# Altium PCB NeuroPico Hub.PcbDoc (part 3 of 5) (continued)
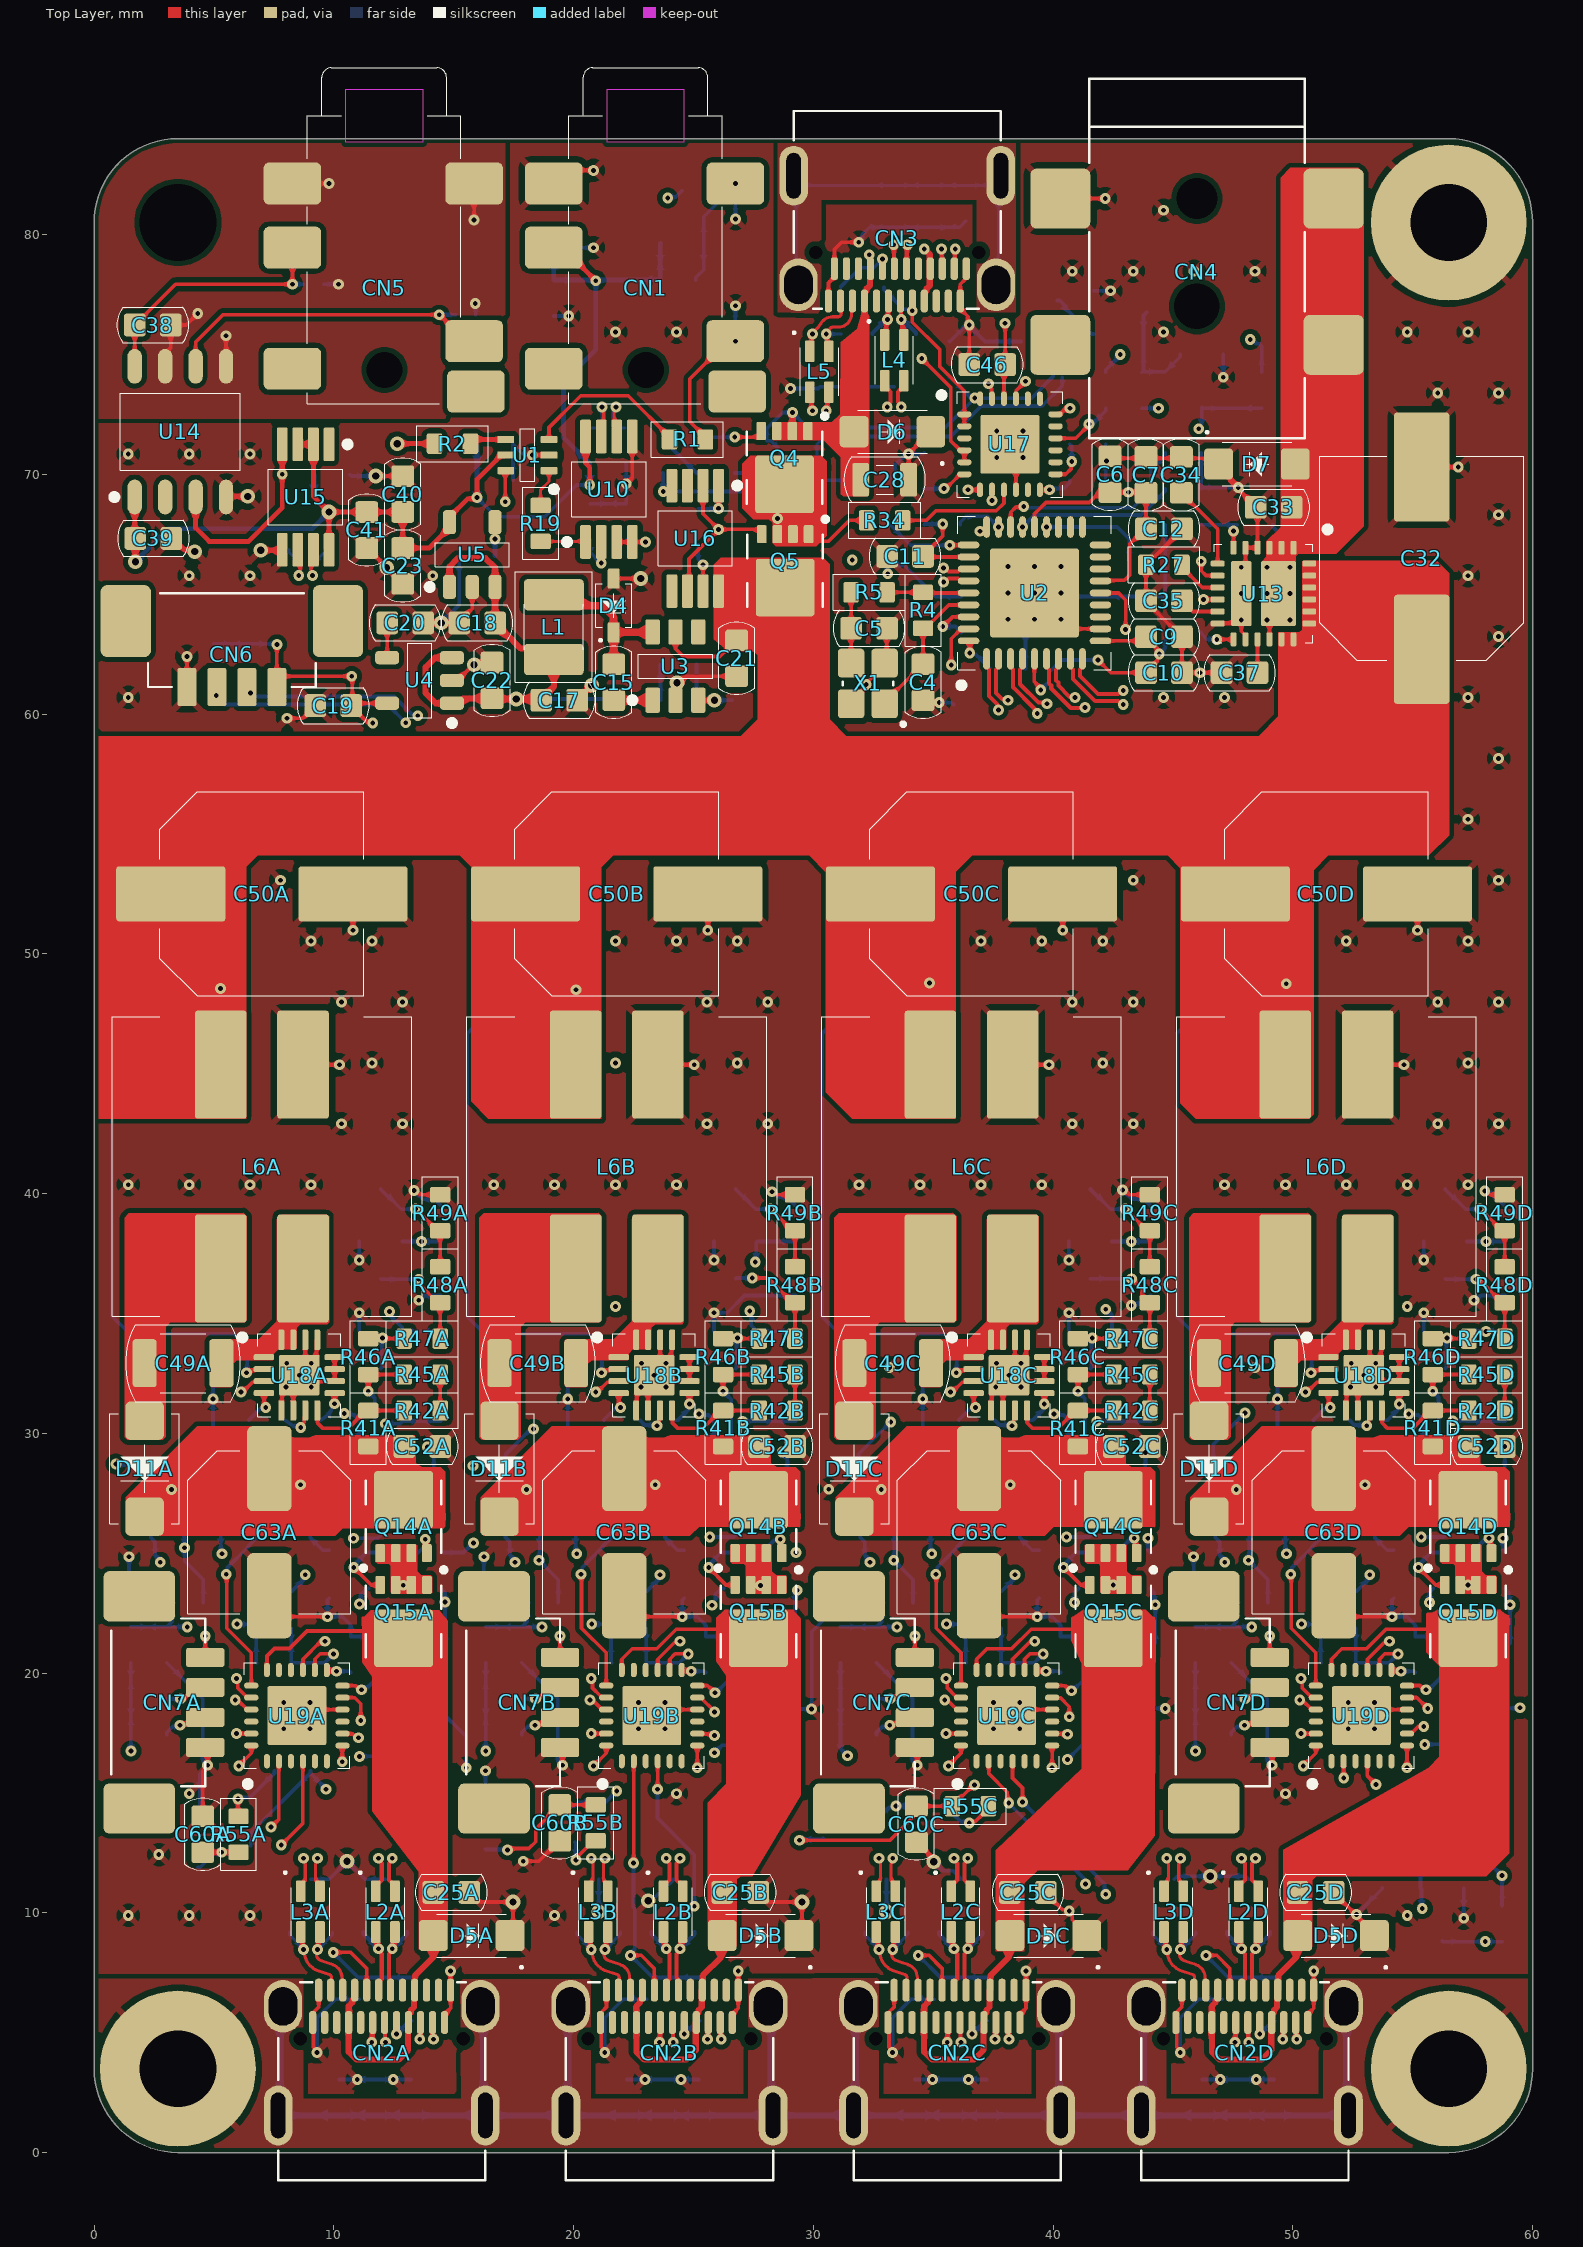
[diagram p0: Top Layer view]
## Nets (pads, with @x,y where several pads share a name; then routed paths per layer and width w, separated by ;. In a path a pad name is that pad's centre, name@x,y a point inside that pad or via, vN(x,y) a via of type N, cw(c..) or ccw(c..) an arc to the next point about the centre after c; other vN are vias at no path point) (continued)
  other v1: 1.43,9.89 3.97,9.89 6.51,9.89 19.21,9.89 54.77,9.89 40.675,10.075 2.7,12.43 3.97,14.97 24.29,14.97 49.69,14.97 30.64,27.67 9.06,31.925 23.86,31.925 38.66,31.925 53.46,31.925 33.18,32.75 48.42,32.75 8.035,32.925 22.835,32.925 37.635,32.925 52.435,32.925 21.75,35.29 54.77,35.29 1.43,40.37 3.97,40.37 6.51,40.37 9.05,40.37 16.67,40.37 19.21,40.37 21.75,40.37 24.29,40.37 31.91,40.37 34.45,40.37 36.99,40.37 39.53,40.37 47.15,40.37 49.69,40.37 52.23,40.37 54.77,40.37 57.31,40.37 10.32,42.91 12.86,42.91 25.56,42.91 28.1,42.91 40.8,42.91 43.34,42.91 56.04,42.91 58.58,42.91 11.59,45.45 21.75,45.45 26.83,45.45 42.07,45.45 57.31,45.45 10.32,47.99 12.86,47.99 25.56,47.99 28.1,47.99 40.8,47.99 43.34,47.99 56.04,47.99 58.58,47.99 9.05,50.53 11.59,50.53 21.75,50.53 24.29,50.53 26.83,50.53 36.99,50.53 39.53,50.53 42.07,50.53 52.23,50.53 57.31,50.53 7.78,53.07 43.34,53.07 58.58,53.07 57.31,55.61 58.58,58.15 1.43,60.69 44.61,60.69 47.15,60.69 57.31,60.69 58.58,63.23 3.97,65.77 6.51,65.77 14.13,65.77 57.31,65.77 58.58,68.31 42.225,70.55 1.43,70.85 3.97,70.85 6.51,70.85 56.04,73.39 58.58,73.39 21.75,75.93 24.29,75.93 44.61,75.93 54.77,75.93 57.31,75.93 40.8,78.47 43.34,78.47 45.88,78.47 48.42,78.47 44.61,81.01
  other v2: 7.91,17.675 9.01,17.675 22.71,17.675 23.81,17.675 37.51,17.675 38.61,17.675 52.31,17.675 53.41,17.675 7.91,18.775 9.01,18.775 22.71,18.775 23.81,18.775 37.51,18.775 38.61,18.775 52.31,18.775 53.41,18.775 38.125,63.95 39.225,63.95 47.85,65.025 38.125,65.05 40.325,65.05 38.125,66.15 39.225,66.15 40.325,66.15 37.65,70.7 38.75,70.7 37.65,71.8 38.75,71.8
  other v3: 46.55,11.525 12.2,66.1
NetC4_2: C4.2 R4.1 U2.33 X1.1 | length 6.1
  Top Layer w0.152: X1.1@32.975,60.425 32.975,60.488 34.563,62.075 C4.2@34.575,62.075 R4.1@34.575,63.575 34.675,63.575 35.65,64.55 U2.33@36.475,64.55
NetC5_2: C5.2 R5.1 X1.3 | length 2.9
  Top Layer w0.152: X1.3@31.575,62.125 C5.2@31.575,63.575 R5.1@31.575,65.075
NetC13_1: C13.1 U2.34 | length 2.1
  Top Layer w0.152: v1(35.4,63.65) 35.8,64.05 U2.34@36.475,64.05
  Bottom Layer w0.152: v1(35.4,63.65) 35.925,63.65 C13.1@36.175,63.4
NetC14_1: C14.1 U2.14 | length 2.4
  Top Layer w0.152: U2.14@41.975,65.05 42.725,65.05 43.025,64.75 v1(43.025,63.525)
NetC15_1: C15.1 D4.1 L1.1 U3.6 | length 6.5
  Top Layer w0.305: L1.1@19.175,64.975 19.633,64.517 21.208,64.517 21.662,64.063 21.662,63.413 D4.1@21.675,63.4 ; C15.1@21.675,62.075 D4.1@21.675,63.4 ; U3.6@23.3,63.425 23.287,63.412 21.687,63.412 D4.1@21.675,63.4
NetC15_2: C15.2 U3.1 | length 1.6
  Top Layer w0.305: C15.2@21.675,60.575 U3.1@23.3,60.575
NetC16_1: C16.1 R12.1 R13.2 U3.3 | length 3.7
  Top Layer w0.152: U3.3@25.2,60.575 v3(25.875,60.575)
  Bottom Layer w0.152: C16.1@25.125,62.075 R12.1@25.125,60.575 v3(25.875,60.575) R13.2@26.625,60.575
NetC20_2: C20.2 U4.4 | length 1.5
  Top Layer w0.152: U4.4@12.225,62.35 C20.2@12.225,63.8
NetC24_2: C24.2 U5.4 | length 0.7
  Bottom Layer w0.203: C24.2@16.725,66.6 v1(16.725,67.3)
NetC30_2: C30.2 C31.2 CN3.0 R22.2 | length 17.5
  Bottom Layer w0.125: CN3.0@29.18,82.45 CN3.0@29.28,82.35 ; CN3.0@29.38,77.9 29.28,78 CN3.0@29.28,82.35 ; CN3.0@37.42,82.05 R22.2@36.35,82.05 34.85,82.05 33.35,82.05 29.58,82.05 CN3.0@29.28,82.35 ; CN3.0@37.62,77.9 37.72,78 37.72,82.35 CN3.0@37.82,82.45
NetC34_1: C34.1 U13.7 | length 3.6
  Top Layer w0.152: C34.1@45.35,69.225 45.355,69.225 45.726,68.854 45.726,68.849 46.863,67.712 U13.7@46.863,66.275
NetC35_1: C35.1 U13.11 | length 1.7
  Top Layer w0.152: C35.1@45.375,64.725 45.375,64.72 45.82,64.275 U13.11@46.863,64.275
NetC36_1: C36.1 U13.10 | length 0.6
  Top Layer w0.152: v1(46.275,64.775) U13.10@46.863,64.775
NetC37_2: C37.2 U13.15 | length 1.4
  Top Layer w0.152: C37.2@48.525,61.725 U13.15@48.525,63.112
NetC38_2: C38.2 CN5.3 D9.2 U14.8 | length 11.3
  Top Layer w0.152: U14.8@1.695,74.5 1.695,76.22 C38.2@1.7,76.225 1.7,76.23 2.071,76.601 2.076,76.601 3.4,77.925 v1(8.275,77.925) CN5.3@8.275,79.45 CN5.3@7.95,79.45
  Bottom Layer w0.152: v1(8.275,77.925) D9.2@8.725,77.925
NetC42_1: C42.1 R32.2 | length 2.2
  Bottom Layer w0.152: C42.1@23.725,71.55 23.73,71.55 24.101,71.179 24.101,71.074 25.125,70.05 R32.2@25.225,70.05
NetC42_2: C42.2 Q4.5 Q5.1 Q5.2 Q5.3 R34.2 U16.4 | length 9.5
  Top Layer w0.152: v1@23.725,69.275 23.951,69.275 24.1,69.424 U16.4@24.1,69.525 ; Q5.1@29.8,67.5 29.8,67.37 29.924,67.246 30.229,67.246 30.275,67.2 30.625,67.2 31.5,68.075 R34.2@32.225,68.075
  Bottom Layer w0.152: C42.2@23.725,70.05 23.737,70.038 v1(23.737,69.282) 27.368,69.282 v1(28.5,68.15)
NetC44_2: C44.2 D10.1 R30.1 R35.2 | length 14.6
  Bottom Layer w0.13: D10.1@30.3,71.4 30.153,71.253 30.153,69.778 R30.1@30.125,69.75 C44.2@31.625,69.75
  Bottom Layer w0.152: D10.1@30.3,71.4 30.474,71.574 30.737,71.574 30.738,71.575 35.734,71.575 37.009,72.85 39.487,72.85 ccw(c39.487,73.002) 39.595,72.895 40.331,73.631 ccw(c40.223,73.738) 40.375,73.738 R35.2@40.375,74.05
NetC45_1: C45.1 U16.7 | length 2
  Top Layer w0.13: U16.7@25.4,65.125 v1(25.4,66.225)
  Bottom Layer w0.13: C45.1@25.2,67.075 25.2,66.449 25.4,66.249 v1(25.4,66.225)
NetC45_2: C45.2 U16.1 | length 1.8
  Top Layer w0.13: v1(26.05,68.575) U16.1@26.05,69.525
  Bottom Layer w0.13: C45.2@25.2,68.575 26.025,68.575 v1@26.05,68.55
NetC47_2: C47.2 U17.21 | length 0.9
  Top Layer w0.152: U17.21@38.45,73.15 38.469,73.169 38.469,73.494 v1(38.85,73.875)
NetC48_2: C48.2 U17.23 | length 0.7
  Top Layer w0.152: v1(37.3,73.775) 37.3,73.694 37.431,73.563 37.431,73.169 U17.23@37.45,73.15
NetC49A_1: C49A.1 D11A.2 L6A.4
NetC49A_2: C49A.2 L6A.3 U18A.1 U18A.15 U18A.16
NetC49B_1: C49B.1 D11B.2 L6B.4
NetC49B_2: C49B.2 L6B.3 U18B.1 U18B.15 U18B.16
NetC49C_1: C49C.1 D11C.2 L6C.4
NetC49C_2: C49C.2 L6C.3 U18C.1 U18C.15 U18C.16
NetC49D_1: C49D.1 D11D.2 L6D.4
NetC49D_2: C49D.2 L6D.3 U18D.1 U18D.15 U18D.16
NetC52A_2: C52A.2 C63A.1 C64A.1 D11A.1 Q14A.5 Q16A.2 R41A.2 R58A.2 U19A.24 | length 19
  Top Layer w0.152: v1(6.035,16.125) 6.56,16.65 U19A.24@6.56,16.975
  Layer 4 w0.152: v1(3.235,27.65) 2.31,26.725 2.31,17.225 3.81,15.725 5.635,15.725 v1(6.035,16.125)
  Bottom Layer w0.152: v1(3.235,27.65) 3.66,27.65 R58A.2@3.785,27.525 ; Q16A.2@6.81,27.45 8.21,27.45 v1(8.61,27.85)
NetC52B_2: C52B.2 C63B.1 C64B.1 D11B.1 Q14B.5 Q16B.2 R41B.2 R58B.2 U19B.24 | length 19.6
  Top Layer w0.152: v1(20.835,16.125) 21.36,16.65 U19B.24@21.36,16.975
  Layer 4 w0.152: v1(18.035,27.65) 17.11,26.725 17.11,17.225 18.61,15.725 20.435,15.725 v1(20.835,16.125)
  Bottom Layer w0.152: Q16B.2@21.61,27.45 23.01,27.45 v1(23.41,27.85) ; R58B.2@18.46,27.65 v1(18.035,27.65) R58B.2@18.46,27.65 ; R58B.2@18.46,27.65 R58B.2@18.585,27.525 R58B.2@18.46,27.65
NetC52C_2: C52C.2 C63C.1 C64C.1 D11C.1 Q14C.5 Q16C.2 R41C.2 R58C.2 U19C.24 | length 19.6
  Top Layer w0.152: v1(35.635,16.125) 36.16,16.65 U19C.24@36.16,16.975
  Layer 4 w0.152: v1(32.835,27.65) 31.91,26.725 31.91,17.225 33.41,15.725 35.235,15.725 v1(35.635,16.125)
  Bottom Layer w0.152: Q16C.2@36.41,27.45 37.81,27.45 v1(38.21,27.85) ; R58C.2@33.26,27.65 v1(32.835,27.65) R58C.2@33.26,27.65 ; R58C.2@33.26,27.65 R58C.2@33.385,27.525 R58C.2@33.26,27.65
NetC52D_2: C52D.2 C63D.1 C64D.1 D11D.1 Q14D.5 Q16D.2 R41D.2 R58D.2 U19D.24 | length 19.6
  Top Layer w0.152: v1(50.435,16.125) 50.96,16.65 U19D.24@50.96,16.975
  Layer 4 w0.152: v1(47.635,27.65) 46.71,26.725 46.71,17.225 48.21,15.725 50.035,15.725 v1(50.435,16.125)
  Bottom Layer w0.152: Q16D.2@51.21,27.45 52.61,27.45 v1(53.01,27.85) ; R58D.2@48.06,27.65 R58D.2@48.185,27.525 R58D.2@48.06,27.65 ; R58D.2@48.06,27.65 v1(47.635,27.65) R58D.2@48.06,27.65
NetC53A_2: C53A.2 U18A.4 | length 1.6
  Top Layer w0.152: U18A.4@7.085,31.675 7.085,31.15 v1(7.16,31.075)
  Bottom Layer w0.152: C53A.2@6.46,30.55 6.46,30.555 6.923,31.018 7.103,31.018 v1(7.16,31.075)
NetC53B_2: C53B.2 U18B.4 | length 1.6
  Top Layer w0.152: U18B.4@21.885,31.675 21.885,31.15 v1(21.96,31.075)
  Bottom Layer w0.152: C53B.2@21.26,30.55 21.26,30.555 21.723,31.018 21.903,31.018 v1(21.96,31.075)
NetC53C_2: C53C.2 U18C.4 | length 1.6
  Top Layer w0.152: U18C.4@36.685,31.675 36.685,31.15 v1(36.76,31.075)
  Bottom Layer w0.152: C53C.2@36.06,30.55 36.06,30.555 36.523,31.018 36.703,31.018 v1(36.76,31.075)
NetC53D_2: C53D.2 U18D.4 | length 1.6
  Top Layer w0.152: U18D.4@51.485,31.675 51.485,31.15 v1(51.56,31.075)
  Bottom Layer w0.152: C53D.2@50.86,30.55 50.86,30.555 51.323,31.018 51.503,31.018 v1(51.56,31.075)
NetC54A_1: C54A.1 R44A.2 | length 1.5
  Bottom Layer w0.152: C54A.1@6.46,29.05 R44A.2@7.96,29.05
NetC54B_1: C54B.1 R44B.2 | length 1.5
  Bottom Layer w0.152: C54B.1@21.26,29.05 R44B.2@22.76,29.05
NetC54C_1: C54C.1 R44C.2 | length 1.5
  Bottom Layer w0.152: C54C.1@36.06,29.05 R44C.2@37.56,29.05
NetC54D_1: C54D.1 R44D.2 | length 1.5
  Bottom Layer w0.152: C54D.1@50.86,29.05 R44D.2@52.36,29.05
NetC55A_2: C55A.2 Q6A.1 Q7A.3 R50A.1 | length 15.4
  Layer 4 w0.152: v1(2.76,24.625) 4.216,24.625 ccw(c4.216,24.777) 4.324,24.67 5.282,25.627 cw(c5.389,25.519) 5.389,25.672 10.771,25.672 v1(10.825,25.618)
  Bottom Layer w0.152: R50A.1@2.285,27.175 2.36,27.1 Q7A.3@2.36,25.65 2.544,25.466 2.544,24.921 2.76,24.706 v1(2.76,24.625) ; v1(10.825,25.618) 11.828,25.618 12.86,26.65 Q6A.1@12.86,26.75 C55A.2@14.46,26.75
NetC55B_2: C55B.2 Q6B.1 Q7B.3 R50B.1 | length 15.9
  Layer 4 w0.152: v1(17.56,24.625) 18.022,24.163 18.618,24.163 20.254,25.8 25.549,25.8 v1(25.677,25.672)
  Bottom Layer w0.152: R50B.1@17.085,27.175 17.16,27.1 Q7B.3@17.16,25.65 17.344,25.466 17.344,24.921 17.56,24.706 v1(17.56,24.625) ; v1(25.677,25.672) 26.682,25.672 27.66,26.65 Q6B.1@27.66,26.75 C55B.2@29.26,26.75
NetC55C_2: C55C.2 Q6C.1 Q7C.3 R50C.1 | length 15.8
  Layer 4 w0.152: v1(32.36,24.625) 32.822,24.163 33.418,24.163 34.926,25.672 v1(40.557,25.672)
  Bottom Layer w0.152: R50C.1@31.885,27.175 31.96,27.1 Q7C.3@31.96,25.65 32.144,25.466 32.144,24.921 32.36,24.706 v1(32.36,24.625) ; v1(40.557,25.672) 41.482,25.672 42.46,26.65 Q6C.1@42.46,26.75 C55C.2@44.06,26.75
NetC55D_2: C55D.2 Q6D.1 Q7D.3 R50D.1 | length 15.9
  Layer 4 w0.152: v1(47.16,24.625) 47.622,24.163 48.218,24.163 49.854,25.8 55.149,25.8 55.277,25.672 v1(55.357,25.672)
  Bottom Layer w0.152: R50D.1@46.685,27.175 46.76,27.1 Q7D.3@46.76,25.65 46.944,25.466 46.944,24.921 47.16,24.706 v1(47.16,24.625) ; v1(55.357,25.672) 56.282,25.672 57.26,26.65 Q6D.1@57.26,26.75 C55D.2@58.86,26.75
NetC56A_2: C56A.2 Q7A.1 R51A.1 U19A.15 | length 11.7
  Top Layer w0.152: U19A.15@8.71,20.125 8.71,20.575 9.46,21.325 v1(9.635,21.325)
  Layer 4 w0.152: v1(3.885,21.925) 3.938,21.978 5.057,21.978 5.71,21.325 v1(9.635,21.325)
  Bottom Layer w0.152: R51A.1@1.535,21.925 C56A.2@3.035,21.925 ; Q7A.1@3.26,23.45 3.26,22.15 C56A.2@3.035,21.925 ; v1(3.885,21.925) C56A.2@3.035,21.925
NetC56B_2: C56B.2 Q7B.1 R51B.1 U19B.15 | length 15.1
  Top Layer w0.152: v1(24.435,21.325) 24.26,21.325 23.51,20.575 ; 23.51,20.575 U19B.15@23.51,20.125 23.51,20.575
  Layer 4 w0.152: v1(24.435,21.325) 20.51,21.325 ; v1@18.738,21.978 19.857,21.978 ; v1@18.738,21.978 v1(18.685,21.925) v1@18.738,21.978 ; v1@18.738,21.978 19.857,21.978 ; 19.857,21.978 20.51,21.325 ; 19.857,21.978 20.51,21.325
  Bottom Layer w0.152: R51B.1@16.335,21.925 C56B.2@17.835,21.925 ; Q7B.1@18.06,23.45 18.06,22.15 C56B.2@17.835,21.925 ; C56B.2@17.835,21.925 v1(18.685,21.925) C56B.2@17.835,21.925
NetC56C_2: C56C.2 Q7C.1 R51C.1 U19C.15 | length 20.3
  Top Layer w0.152: 38.31,20.575 v1@39.06,21.325 ; 38.31,20.575 U19C.15@38.31,20.125 38.31,20.575 ; 38.31,20.575 v1@39.06,21.325 ; v1@39.06,21.325 v1(39.235,21.325) v1@39.06,21.325
  Layer 4 w0.152: v1@33.538,21.978 v1(33.485,21.925) v1@33.538,21.978 ; v1@33.538,21.978 34.657,21.978 ; v1@33.538,21.978 34.657,21.978 ; 34.657,21.978 35.31,21.325 ; 34.657,21.978 35.31,21.325 ; 35.31,21.325 v1(39.235,21.325) 35.31,21.325
  Bottom Layer w0.152: R51C.1@31.135,21.925 C56C.2@32.635,21.925 ; Q7C.1@32.86,23.45 32.86,22.15 C56C.2@32.635,21.925 ; C56C.2@32.635,21.925 v1(33.485,21.925) C56C.2@32.635,21.925
NetC56D_2: C56D.2 Q7D.1 R51D.1 U19D.15 | length 20.3
  Top Layer w0.152: 53.11,20.575 U19D.15@53.11,20.125 53.11,20.575 ; 53.11,20.575 v1@53.86,21.325 ; 53.11,20.575 v1@53.86,21.325 ; v1@53.86,21.325 v1(54.035,21.325) v1@53.86,21.325
  Layer 4 w0.152: v1@48.338,21.978 49.457,21.978 ; v1@48.338,21.978 v1(48.285,21.925) v1@48.338,21.978 ; v1@48.338,21.978 49.457,21.978 ; 49.457,21.978 50.11,21.325 ; 49.457,21.978 50.11,21.325 ; 50.11,21.325 v1(54.035,21.325) 50.11,21.325
  Bottom Layer w0.152: R51D.1@45.935,21.925 C56D.2@47.435,21.925 ; Q7D.1@47.66,23.45 47.66,22.15 C56D.2@47.435,21.925 ; C56D.2@47.435,21.925 v1(48.285,21.925) C56D.2@47.435,21.925
NetC57A_2: C57A.2 Q8A.1 Q9A.3 R52A.1 | length 16.3
  Layer 4 w0.152: v1(3.775,25.225) 3.795,25.245 4.229,25.245 8.853,29.87 8.86,29.876 9.411,30.362 cw(c9.512,30.248) 9.512,30.4 v1(12.147,30.4)
  Bottom Layer w0.152: R52A.1@3.785,26.025 3.75,25.681 3.77,25.681 3.775,25.677 v1(3.775,25.225) 3.783,25.217 3.783,24.674 3.827,24.63 4.56,23.897 Q9A.3@4.56,22.925 ; v1(12.147,30.4) 12.76,30.4 Q8A.1@12.86,30.5 C57A.2@14.46,30.5
NetC57B_2: C57B.2 Q8B.1 Q9B.3 R52B.1 | length 16.5
  Layer 4 w0.152: v1(18.554,24.706) 20.074,26.225 22.775,26.225 v1(27.05,30.5)
  Bottom Layer w0.152: R52B.1@18.585,26.025 18.585,24.672 19.36,23.897 Q9B.3@19.36,22.925 ; v1(27.05,30.5) Q8B.1@27.66,30.5 C57B.2@29.26,30.5
NetC57C_2: C57C.2 Q8C.1 Q9C.3 R52C.1 | length 16.6
  Layer 4 w0.152: v1(33.354,24.706) 33.416,24.706 34.81,26.1 37.425,26.1 v1(41.825,30.5)
  Bottom Layer w0.152: v1(33.354,24.706) v1@33.385,24.706 ; R52C.1@33.385,26.025 33.385,24.672 34.16,23.897 Q9C.3@34.16,22.925 ; v1(41.825,30.5) Q8C.1@42.46,30.5 C57C.2@44.06,30.5
NetC57D_2: C57D.2 Q8D.1 Q9D.3 R52D.1 | length 16.6
  Layer 4 w0.152: v1(48.154,24.706) 48.216,24.706 49.61,26.1 52.245,26.1 v1(56.666,30.522)
  Bottom Layer w0.152: v1(48.154,24.706) v1@48.185,24.706 ; R52D.1@48.185,26.025 48.185,24.675 48.185,24.672 48.96,23.897 Q9D.3@48.96,22.925 ; v1(56.666,30.522) 57.238,30.522 Q8D.1@57.26,30.5 C57D.2@58.86,30.5
NetC58A_2: C58A.2 Q9A.1 R53A.1 U19A.14 | length 7.2
  Top Layer w0.152: U19A.14@9.21,20.125 9.21,20.575 9.435,20.8 v1(9.985,20.8)
  Bottom Layer w0.152: Q9A.1@6.76,23.825 6.793,23.825 7.107,23.511 7.107,23.478 8.16,22.425 8.16,21.925 8.226,21.859 8.226,20.484 C58A.2@8.285,20.425 9.61,20.425 v1(9.985,20.8)
NetC58B_2: C58B.2 Q9B.1 R53B.1 U19B.14 | length 9.3
  Top Layer w0.152: v1(24.785,20.8) 24.235,20.8 ; 24.01,20.575 U19B.14@24.01,20.125 24.01,20.575 ; 24.01,20.575 24.235,20.8 ; 24.01,20.575 24.235,20.8
  Bottom Layer w0.152: Q9B.1@21.56,23.825 21.593,23.825 21.907,23.511 21.907,23.478 22.96,22.425 22.96,21.925 23.026,21.859 23.026,20.484 C58B.2@23.085,20.425 ; v1(24.785,20.8) 24.41,20.425 ; C58B.2@23.085,20.425 24.41,20.425 ; C58B.2@23.085,20.425 24.41,20.425
NetC58C_2: C58C.2 Q9C.1 R53C.1 U19C.14 | length 10.4
  Top Layer w0.152: 38.81,20.575 39.035,20.8 ; 38.81,20.575 U19C.14@38.81,20.125 38.81,20.575 ; 38.81,20.575 39.035,20.8 ; 39.035,20.8 v1(39.585,20.8) 39.035,20.8
  Bottom Layer w0.152: Q9C.1@36.36,23.825 36.393,23.825 36.707,23.511 36.707,23.478 37.76,22.425 37.76,21.925 37.826,21.859 37.826,20.484 C58C.2@37.885,20.425 ; C58C.2@37.885,20.425 39.21,20.425 ; C58C.2@37.885,20.425 39.21,20.425 ; 39.21,20.425 v1(39.585,20.8) 39.21,20.425
NetC58D_2: C58D.2 Q9D.1 R53D.1 U19D.14 | length 10.4
  Top Layer w0.152: 53.61,20.575 U19D.14@53.61,20.125 53.61,20.575 ; 53.61,20.575 53.835,20.8 ; 53.61,20.575 53.835,20.8 ; 53.835,20.8 v1(54.385,20.8) 53.835,20.8
  Bottom Layer w0.152: Q9D.1@51.16,23.825 51.193,23.825 51.507,23.511 51.507,23.478 52.56,22.425 52.56,21.925 52.626,21.859 52.626,20.484 C58D.2@52.685,20.425 ; C58D.2@52.685,20.425 54.01,20.425 ; C58D.2@52.685,20.425 54.01,20.425 ; 54.01,20.425 v1(54.385,20.8) 54.01,20.425
NetC59A_2: C59A.2 Q10A.1 Q11A.3 R54A.1 | length 30
  Layer 4 w0.152: v1(9.675,15.15) 11.45,15.15 12.325,16.025 12.325,16.18 12.329,16.184 12.329,23.7 12.575,23.946 12.575,34.825 v1(12.325,35.075)
  Bottom Layer w0.152: Q11A.3@6.525,12.8 6.537,12.812 6.537,13.339 R54A.1@9.025,15.828 ; R54A.1@9.025,15.925 9.025,15.8 9.047,15.8 9.675,15.172 v1(9.675,15.15) ; v1(12.325,35.075) 12.382,35.018 12.382,34.878 12.86,34.4 Q10A.1@12.86,34.25 C59A.2@14.46,34.25
NetC59B_2: C59B.2 Q10B.1 Q11B.3 R54B.1 | length 32
  Layer 4 w0.152: v1(21.8,15.075) 22.5,15.775 24.33,15.775 25.022,15.083 25.778,15.083 27.15,16.455 27.15,24.075 27.637,24.562 27.637,31.041 27.35,31.328 v1(27.35,35.1)
  Bottom Layer w0.152: Q11B.3@18.525,13.55 18.558,13.55 18.872,13.864 18.872,13.897 19.425,14.45 R54B.1@20.05,14.45 20.218,14.618 21.343,14.618 v1(21.8,15.075) ; v1(27.35,35.1) 27.35,35.019 27.413,34.957 27.413,34.497 Q10B.1@27.66,34.25 C59B.2@29.26,34.25
NetC59C_2: C59C.2 Q10C.1 Q11C.3 R54C.1 | length 32.8
  Layer 4 w0.152: v1(33.45,14.45) 33.475,14.425 36.625,14.425 37.542,15.342 40.792,15.342 42,16.55 42,23.9 42.55,24.45 42.55,34.825 v1(42.2,35.175)
  Bottom Layer w0.152: Q11C.3@32.6,14 32.767,14 33.16,14.393 33.393,14.393 v1(33.45,14.45) 34.1,14.45 R54C.1@34.125,14.425 ; v1(42.2,35.175) 42.46,34.915 Q10C.1@42.46,34.25 C59C.2@44.06,34.25
NetC59D_2: C59D.2 Q10D.1 Q11D.3 R54D.1 | length 30
  Layer 4 w0.152: v1(58.025,8.8) 58.025,23.566 57.475,24.116 57.475,33.665 v1(58.06,34.25)
  Bottom Layer w0.152: Q11D.3@56.225,8.825 56.25,8.8 R54D.1@58.725,8.8 ; Q10D.1@57.26,34.25 v1(58.06,34.25) C59D.2@58.86,34.25
NetC60A_2: C60A.2 Q11A.1 R55A.1 U19A.11 | length 16
  Top Layer w0.152: C60A.2@4.535,12.525 v1(5.325,12.525) R55A.1@6.025,12.525 ; U19A.11@10.36,18.975 10.875,18.975 11.125,18.725 v1(11.125,18.025)
  Layer 4 w0.152: v1(5.325,12.525) 5.325,14.8 6.275,15.75 11.5,15.75 12.05,16.3 12.05,17.1 v1(11.125,18.025)
  Bottom Layer w0.152: Q11A.1@4.325,11.9 4.425,11.9 4.993,12.468 5.268,12.468 v1(5.325,12.525)
NetC60B_2: C60B.2 Q11B.1 R55B.1 U19B.11 | length 20.5
  Top Layer w0.152: v1(17.25,12.625) 17.307,12.682 18.132,12.682 18.418,12.968 18.418,13.493 19.026,14.101 19.026,14.107 19.42,14.5 R55B.1@20.925,14.5 ; U19B.11@25.16,18.975 25.309,18.975 25.875,18.409 v1(25.875,18.375)
  Layer 4 w0.152: v1(17.25,12.625) 19.675,15.05 20.725,15.05 21.8,16.125 24.375,16.125 25.138,15.362 25.662,15.362 26.5,16.2 26.5,17.75 v1(25.875,18.375)
  Bottom Layer w0.152: Q11B.1@16.325,12.65 16.35,12.625 16.363,12.638 17.237,12.638 v1(17.25,12.625)
NetC60C_2: C60C.2 Q11C.1 R55C.1 U19C.11 | length 18.1
  Top Layer w0.152: v1(29.425,13.025) 33.2,13.025 34.161,13.986 34.161,14.311 C60C.2@34.3,14.45 ; C60C.2@34.203,14.45 C60C.2@34.3,14.45 ; v1(36.725,15.325) 36.67,15.325 35.8,14.455 R55C.1@35.8,14.45 C60C.2@34.3,14.45 ; U19C.11@39.96,18.975 39.975,18.96 40.315,18.96 40.675,18.6 v1(40.675,18.175)
  Layer 4 w0.152: v1(36.725,15.325) 36.725,15.39 36.957,15.622 40.472,15.622 41.325,16.475 41.325,17.875 41.082,18.118 40.732,18.118 v1(40.675,18.175)
  Bottom Layer w0.152: v1(29.425,13.025) 29.463,13.063 30.363,13.063 Q11C.1@30.4,13.1
NetC60D_2: C60D.2 Q11D.1 R55D.1 U19D.11 | length 13.9
  Top Layer w0.152: U19D.11@54.76,18.975 55.175,18.975 v1(55.625,18.525)
  Layer 4 w0.152: v1(55.4,10.175) 56.175,10.95 56.175,17.975 v1(55.625,18.525)
  Bottom Layer w0.152: C60D.2@53.725,12.55 R55D.1@55.225,12.55 55.325,12.45 Q11D.1@55.325,11.025 55.363,10.987 55.363,10.213 v1(55.4,10.175)
NetC61A_2: C61A.2 Q12A.1 Q13A.3 R56A.1 | length 20.5
  Layer 4 w0.152: v1(13.66,38) 13.031,37.371 13.031,24.175 14.184,23.022 14.583,23.022 v1(14.637,22.968)
  Bottom Layer w0.152: Q12A.1@12.86,38 v1(13.66,38) C61A.2@14.46,38 ; Q13A.3@14.435,21.025 14.637,21.227 v1(14.637,22.968) ; R56A.1@14.46,23.525 14.637,23.348 14.637,22.962 v1@14.625,22.95
NetC61B_2: C61B.2 Q12B.1 Q13B.3 R56B.1 | length 19.5
  Layer 4 w0.152: v1(27.575,37.15) 27.972,36.753 27.972,24.806 v1(29.328,23.45)
  Bottom Layer w0.152: v1(27.575,37.15) 27.617,37.192 27.617,37.958 Q12B.1@27.66,38 C61B.2@29.26,38 ; Q13B.3@29.235,21.025 29.235,23.382 29.26,23.407 R56B.1@29.26,23.525 ; R56B.1@29.26,23.45 v1(29.328,23.45)
NetC61C_2: C61C.2 Q12C.1 Q13C.3 R56C.1 | length 20.1
  Layer 4 w0.152: v1(43.26,38) 42.83,37.57 42.83,24.28 v1(44.263,22.847)
  Bottom Layer w0.152: Q12C.1@42.46,38 v1(43.26,38) C61C.2@44.06,38 ; Q13C.3@44.035,21.025 44.261,21.251 44.261,22.845 v1(44.263,22.847) ; R56C.1@44.06,23.525 44.21,23.375 v1@44.21,22.9
NetC61D_2: C61D.2 Q12D.1 Q13D.3 R56D.1 | length 20.4
  Layer 4 w0.152: v1(58.06,38) 58.495,37.565 58.495,33.92 57.754,33.179 57.754,24.396 59.014,23.136 59.014,22.896 v1(59.063,22.847)
  Bottom Layer w0.152: Q12D.1@57.26,38 v1(58.06,38) C61D.2@58.86,38 ; Q13D.3@58.835,21.025 59.061,21.251 59.061,22.845 v1(59.063,22.847) ; R56D.1@58.86,23.525 59.01,23.375 v1@59.01,22.9
NetC62A_2: C62A.2 Q13A.1 R57A.1 U19A.12 | length 6.1
  Top Layer w0.152: U19A.12@10.36,19.475 10.898,19.475 11.071,19.302 v1(11.152,19.302)
  Bottom Layer w0.152: v1(11.152,19.302) 11.209,19.359 11.361,19.359 12.127,20.125 Q13A.1@12.235,20.125 12.235,18.55 C62A.2@12.21,18.525 12.21,18.52 12.581,18.149 12.686,18.149 13.71,17.125 R57A.1@13.71,17.025
NetC62B_2: C62B.2 Q13B.1 R57B.1 U19B.12 | length 6.2
  Top Layer w0.152: U19B.12@25.16,19.475 25.6,19.475 v1(25.9,19.175)
  Bottom Layer w0.152: v1(25.9,19.175) 25.942,19.175 26.892,20.125 Q13B.1@27.035,20.125 27.035,18.495 27.381,18.149 27.486,18.149 28.51,17.125 R57B.1@28.51,17.025